# KiCad board TRS80_Model_I_Jap20_E1.kicad_pcb (continued)
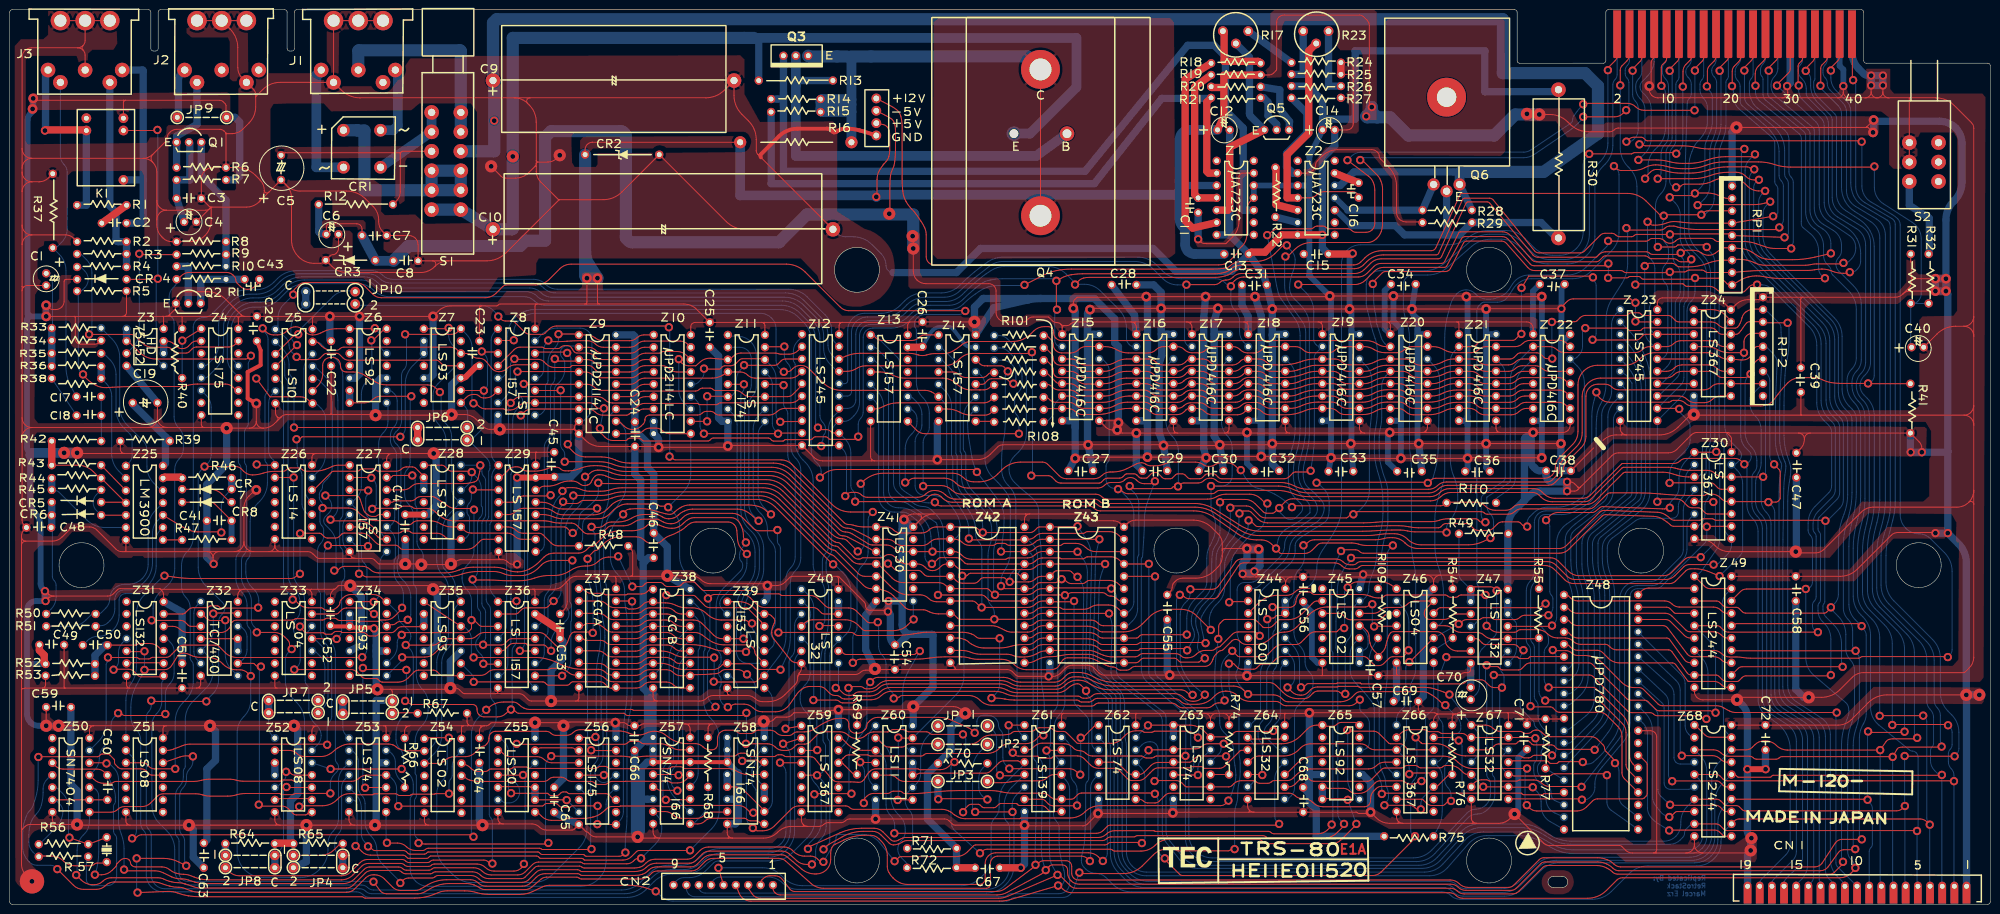
[diagram p0: board, top side]
## Routing (per net, layer and track width the routed paths; a pad name or vN(x,y) marks a point on that pad's centre or on a via; arc(x,y) is an arc through that point) (continued)
/CPU Gating/~{ZCAS}: length 57.9
  Top w0.2: Z66.6 284.94,24.2 arc(284.88,24.24) 284.81,24.25 281.85,24.25 arc(281.3,24.14) 280.83,23.83 280.31,23.31 arc(279.82,22.58) 279.65,21.72 279.65,21.32 arc(279.56,20.84) 279.28,20.43 arc(278.88,20.16) 278.39,20.06 269.88,20.06 arc(268.75,20.28) 267.79,20.92 267.72,21 arc(266.84,21.58) 265.81,21.79 265.45,21.79 arc(264.75,21.93) 264.16,22.32 arc(263.57,22.71) 262.87,22.85 238.47,22.85 arc(237.91,22.74) 237.44,22.43 236.22,21.2 arc(235.82,20.94) 235.36,20.85 233.89,20.85 arc(233.39,20.95) 232.97,21.23 arc(232.54,21.51) 232.05,21.61 Z62.8
/CPU Gating/~{ZIN}: length 89.6
  Top w0.2: v2(323.09,21.51) 323,21.6 arc(322.9,21.66) 322.78,21.69 308.7,21.69 arc(308.69,21.68) 308.67,21.67 308.63,21.63 arc(308.61,21.62) 308.57,21.61 Z67.8 ; v2(348.74,77.67) 348.78,77.7 arc(348.82,77.73) 348.87,77.74 Z30.10
  Bottom w0.2: v2(323.09,21.51) 323.67,21.51 arc(324.21,21.61) 324.67,21.92 325,22.26 arc(325.56,23.09) 325.75,24.07 325.75,24.72 arc(326.03,26.33) 326.84,27.76 327.25,28.25 arc(328.74,30.05) 330.25,31.84 331.52,33.34 arc(332.61,35.21) 332.99,37.34 332.99,63.4 arc(333.11,63.98) 333.44,64.47 arc(333.93,64.8) 334.51,64.92 338.3,64.92 arc(338.91,65.04) 339.43,65.39 348.25,74.2 arc(348.61,74.75) 348.74,75.39 v2(348.74,77.67)
/CPU Gating/~{ZOUT}: length 91.2
  Top w0.2: Z67.6 300.35,24.25 arc(300.37,24.34) 300.42,24.42 300.98,24.97 arc(301.66,25.44) 302.48,25.6 303.53,25.6 arc(303.69,25.56) 303.83,25.47 arc(303.97,25.38) 304.14,25.34 309.72,25.34 arc(309.87,25.37) 309.99,25.46 arc(310.12,25.54) 310.27,25.57 313.22,25.57 arc(314.1,25.4) 314.84,24.9 arc(315.59,24.4) 316.47,24.23 322.88,24.23 arc(322.93,24.22) 322.97,24.19 v2(323.01,24.15)
  Bottom w0.2: v2(323.01,24.15) 330.44,33.66 arc(331.49,35.58) 331.85,37.73 331.85,62.95 arc(332.05,63.94) 332.61,64.79 arc(333.46,65.35) 334.45,65.55 337.47,65.55 arc(338.5,65.76) 339.37,66.34 343.69,70.66 arc(344.42,71.75) 344.68,73.04 344.68,77.68 arc(344.87,78.68) 345.44,79.52 Z30.6
/CPU Gating/~{ZRAS}: length 48.7
  Top w0.2: v2(313.51,34.16) 313.43,34.23 arc(313.35,34.29) 313.25,34.31 300.07,34.31 arc(299.82,34.36) 299.6,34.51 299.38,34.73 arc(298.91,35.04) 298.36,35.15 294.31,35.15 arc(294.07,35.19) 293.88,35.32 arc(293.68,35.46) 293.45,35.5 291.7,35.5 arc(291.43,35.56) 291.21,35.71 arc(290.98,35.86) 290.72,35.91 287.72,35.91 arc(286.67,35.7) 285.79,35.11 Z66.2
  Bottom w0.2: v2(313.51,34.16) 313.66,34 arc(313.78,33.84) 313.81,33.64 313.81,30.06 arc(313.73,29.64) 313.5,29.29 arc(313.26,28.94) 313.18,28.53 313.18,27.58 arc(313.44,26.29) 314.17,25.19 314.45,24.91 arc(315.39,23.5) 315.72,21.84 315.72,21.6 arc(316.22,19.9) 317.56,18.75 Z48.19
/CPU Gating/~{ZRD}: length 84.8
  Top w0.2: Z67.11 308.45,29.23 arc(308.55,29.25) 308.63,29.31 308.77,29.44 arc(308.84,29.49) 308.93,29.51 315.78,29.51 arc(315.98,29.47) 316.15,29.36 316.42,29.09 arc(316.55,29) 316.69,28.97 317.84,28.97 arc(317.99,29) 318.12,29.09 318.3,29.27 arc(318.37,29.31) 318.45,29.33 323.13,29.33 arc(323.18,29.32) 323.23,29.29 v2(323.26,29.25)
  Bottom w0.2: v2(323.26,29.25) 323.47,29.05 arc(323.69,28.9) 323.96,28.85 324.33,28.85 arc(324.95,28.96) 325.48,29.29 326.2,29.93 arc(327.34,31.07) 328.34,32.33 329.51,33.97 arc(330.49,35.94) 330.83,38.12 330.83,62.75 arc(331.11,64.16) 331.91,65.36 arc(333.11,66.16) 334.52,66.44 337.43,66.44 arc(338.26,66.61) 338.96,67.08 343.3,71.42 arc(343.75,72.09) 343.91,72.89 343.91,80.95 arc(344.21,82.45) 345.06,83.71 346.02,84.68 arc(346.15,84.87) 346.2,85.11 Z30.4
/CPU Gating/~{ZWR}: length 98.3
  Top w0.2: Z67.3 303.95,31.77 arc(304.22,31.82) 304.44,31.97 305.05,32.58 arc(305.5,32.88) 306.03,32.99 309.37,32.99 arc(309.53,33.02) 309.67,33.12 309.97,33.41 arc(310.15,33.53) 310.37,33.57 311.96,33.57 arc(312.17,33.53) 312.35,33.41 312.82,32.94 arc(312.99,32.82) 313.19,32.78 316.79,32.78 arc(317.14,32.72) 317.43,32.52 317.89,32.06 arc(318.1,31.92) 318.35,31.87 325.53,31.87 arc(325.6,31.86) 325.65,31.82 v2(325.7,31.77)
  Bottom w0.2: v2(325.7,31.77) 328.42,35.3 arc(329.46,37.22) 329.82,39.38 329.82,63.63 arc(329.62,65.64) 329.06,67.58 arc(328.49,69.53) 328.29,71.54 328.29,73.24 arc(328.57,74.43) 329.36,75.36 334.1,78.89 arc(334.81,79.27) 335.61,79.39 341.6,79.39 arc(342.09,79.49) 342.52,79.78 arc(342.8,80.2) 342.9,80.69 342.9,81.84 arc(343.08,82.75) 343.6,83.52 arc(344.11,84.3) 344.3,85.21 344.3,87.19 arc(344.54,88.44) 345.25,89.49 346.2,90.44
/CPU/CLK: length 445.4
  Top w0.2: v2(13.66,6.01) 14.67,5.01 arc(15.75,4.29) 17.03,4.03 17.41,4.03 arc(18.34,4.22) 19.12,4.74 arc(19.91,5.27) 20.84,5.45 30.46,5.45 arc(31.1,5.38) 31.7,5.16 arc(32.29,4.9) 32.91,4.7 33.23,4.62 arc(33.91,4.48) 34.61,4.44 arc(35.3,4.38) 35.97,4.22 36.07,4.19 arc(36.83,3.94) 37.58,3.67 37.65,3.65 arc(38.49,3.42) 39.36,3.35 69.16,3.35 arc(69.91,3.5) 70.55,3.92 73.02,6.39 arc(73.64,6.81) 74.38,6.95 79.75,6.95 arc(80.2,6.86) 80.58,6.61 arc(80.96,6.36) 81.41,6.27 86.48,6.27 arc(86.74,6.32) 86.97,6.47 arc(87.19,6.62) 87.46,6.67 95.07,6.67 arc(95.99,6.49) 96.76,5.98 arc(97.53,5.46) 98.45,5.28 105.15,5.28 arc(105.55,5.36) 105.89,5.58 107.82,7.51 arc(108.19,7.76) 108.62,7.84 117.13,7.84 arc(117.38,7.79) 117.59,7.65 arc(117.8,7.51) 118.05,7.46 128.32,7.46 arc(128.9,7.5) 129.47,7.62 arc(130,7.84) 130.45,8.19 130.74,8.49 arc(131.14,8.82) 131.6,9.06 arc(132.09,9.21) 132.6,9.26 139.24,9.26 arc(139.99,9.41) 140.63,9.84 141.87,11.08 arc(142.64,11.6) 143.56,11.78 159.18,11.78 arc(160.07,11.6) 160.83,11.1 161.08,10.84 arc(162.13,10.14) 163.35,9.9 164.6,9.9 arc(165.37,9.75) 166.01,9.32 166.38,8.95 arc(166.62,8.79) 166.9,8.73 v2(167.21,8.73) ; v2(181.84,8.86) 181.89,8.86 arc(181.93,8.87) 181.97,8.89 182.75,9.67 arc(182.89,9.76) 183.06,9.8 194.4,9.8 arc(195.72,10.06) 196.85,10.81 198.05,12.02 arc(198.27,12.16) 198.51,12.21 225.06,12.21 arc(225.4,12.28) 225.68,12.47 arc(225.96,12.65) 226.29,12.72 232.45,12.72 arc(232.53,12.7) 232.6,12.66 v2(232.66,12.59) ; Z27.3 73.44,85.24 arc(73.52,85.22) 73.59,85.17 v2(73.66,85.11) ; 16.38,18.94 20.8,18.94 arc(21.55,19.09) 22.19,19.52 arc(22.83,19.94) 23.58,20.09 27.16,20.09 arc(28.12,20.28) 28.93,20.83 30.35,22.24 arc(30.89,22.6) 31.52,22.73 38.25,22.73 arc(38.98,22.67) 39.69,22.49 arc(40.39,22.3) 41.12,22.24 44.79,22.24 arc(45.71,22.31) 46.61,22.51 arc(47.51,22.71) 48.42,22.78 55.39,22.78 arc(55.54,22.75) 55.66,22.66 arc(55.79,22.58) 55.94,22.55 58.14,22.55 arc(58.3,22.58) 58.44,22.68 arc(58.58,22.77) 58.75,22.8 v2(65.89,22.8) 65.86,22.78 ; v2(65.38,73.81) 73.35,73.81 arc(73.45,73.79) 73.53,73.73 v2(73.61,73.65) ; 277.37,36.85 277.09,37.13 arc(276.78,37.34) 276.41,37.41 273.68,37.41 arc(273.17,37.31) 272.73,37.01 arc(272.29,36.72) 271.78,36.62 270.44,36.62 arc(270.29,36.65) 270.17,36.73 270.16,36.74 arc(270.04,36.82) 269.9,36.85 268.6,36.85 arc(267.55,36.64) 266.65,36.04 265.22,34.61 arc(263.45,33.43) 261.37,33.01 v2(249.48,33.01) 246.25,33.01 arc(245.57,32.88) 244.99,32.49 arc(244.42,32.11) 243.74,31.97 239.49,31.97 arc(239.35,31.95) 239.24,31.87 arc(239.13,31.8) 239,31.77 234.16,31.77 arc(234.11,31.76) 234.07,31.73 v2(234.03,31.69)
  Bottom w0.2: v2(73.66,85.11) 73.66,84.71 arc(73.59,84.37) 73.4,84.09 arc(73.22,83.81) 73.15,83.48 73.15,80.69 arc(73.25,80.2) 73.53,79.78 arc(73.81,79.35) 73.91,78.86 73.91,74.17 arc(73.87,73.97) 73.76,73.81 v2(73.61,73.65) ; v2(181.84,8.86) 178.81,12.63 arc(177.2,13.91) 175.19,14.37 170.43,14.37 arc(169.98,14.18) 169.8,13.74 arc(169.71,13.12) 169.47,12.55 v2(167.21,8.73) ; v2(13.66,6.01) 13.75,6.1 arc(13.82,6.2) 13.84,6.32 13.84,11.07 arc(13.92,11.94) 14.16,12.78 arc(14.55,13.56) 15.1,14.23 15.4,14.53 arc(15.86,15.12) 16.16,15.8 arc(16.33,16.54) 16.38,17.29 16.38,18.94 ; v2(249.48,33.01) 249.2,32.73 arc(248.99,32.42) 248.92,32.06 248.92,31.92 arc(248.82,31.43) 248.54,31.01 Z63.11 ; v2(65.89,22.8) 65.89,24.72 arc(66.1,25.81) 66.72,26.74 67.16,27.17 arc(67.46,27.62) 67.56,28.15 67.56,28.27 arc(67.48,28.69) 67.24,29.04 arc(67.01,29.39) 66.93,29.81 66.93,51.36 arc(66.63,52.85) 65.78,54.12 arc(64.94,55.39) 64.64,56.88 64.64,72.14 arc(64.74,72.62) 65.01,73.03 65.23,73.26 arc(65.34,73.42) 65.38,73.6 v2(65.38,73.81) ; v2(232.66,12.59) 232.98,12.91 arc(233.21,13.26) 233.3,13.68 233.3,25.98 arc(233.05,27.22) 232.34,28.28 231.57,29.05 arc(231.55,29.16) 231.65,29.23 arc(231.88,29.28) 232.08,29.41 233.92,31.25 arc(234,31.38) 234.03,31.53 v2(234.03,31.69)
/CPU/CLK_DIV6: length 34.3
  Top w0.2: v2(274.85,35.83) 274.97,35.72 arc(275.09,35.63) 275.24,35.6 280.21,35.6 arc(280.87,35.47) 281.42,35.1 283.34,33.18 arc(283.53,33.06) 283.75,33.01 285.68,33.01 arc(286.14,32.92) 286.54,32.66 287.16,32.04 arc(287.45,31.84) 287.8,31.77 Z66.14
  Bottom w0.2: Z65.8 276.16,22.82 arc(275.27,24.15) 274.95,25.73 274.95,35.66 arc(274.94,35.73) 274.9,35.78 v2(274.85,35.83)
/CPU/HI: length 36.1
  Top w0.2: Z62.4 226.43,29.23 arc(227.47,29.02) 228.36,28.43 229.64,27.15 arc(230.15,26.81) 230.74,26.69 232.03,26.69 arc(232.61,26.81) 233.11,27.14 234.51,28.53 arc(235.22,29.01) 236.06,29.18 239.05,29.18 arc(239.09,29.18) 239.11,29.2 arc(239.14,29.22) 239.17,29.23 242.39,29.23 arc(242.72,29.3) 243,29.48 243.63,30.12 arc(244.06,30.4) 244.55,30.5 249.83,30.5 arc(249.88,30.49) 249.92,30.46 v2(249.96,30.42) ; 246.76,26.69 250.57,26.69
  Bottom w0.2: 250.57,26.69 250.57,29.38 arc(250.49,29.78) 250.26,30.12 v2(249.96,30.42)
/CPU/MREQ: length 48
  Top w0.2: v2(259.66,35.66) 259.61,35.6 arc(259.56,35.57) 259.49,35.55 252.24,35.55 arc(251.89,35.48) 251.6,35.29 251.04,34.73 arc(250.72,34.51) 250.33,34.44 247.48,34.44 arc(247.4,34.42) 247.33,34.37 arc(247.26,34.33) 247.18,34.31 247.01,34.31 arc(246.78,34.36) 246.58,34.49 245.49,35.58 arc(244.08,36.52) 242.42,36.85 233.99,36.85 arc(233.96,36.84) 233.93,36.82 v2(233.91,36.8)
  Bottom w0.2: v2(259.66,35.66) 259.66,36.16 arc(259.76,36.63) 260.02,37.03 260.39,37.4 arc(260.92,38.2) 261.11,39.14 261.11,47.94 arc(261.24,48.61) 261.62,49.17 Z44.8 ; 231.39,34.31 233.87,36.79 arc(233.88,36.8) 233.89,36.8 v2(233.91,36.8)
  Bottom w1.5: 239.14,36.85 239.14,34.31
/CPU/ZCLK: length 63.6
  Top w0.2: v2(295.22,50.84) 295.23,50.86 arc(295.25,50.87) 295.27,50.87 309.79,50.87 arc(309.87,50.85) 309.94,50.81 310.11,50.64 arc(310.22,50.57) 310.35,50.54 311.88,50.54 arc(312.02,50.57) 312.15,50.65 312.35,50.86 arc(312.45,50.92) 312.57,50.95 Z48.6
  Bottom w0.2: R75.2 293.5,15.64 arc(294.16,17.35) 294.38,19.17 294.38,26.19 arc(294.15,27.36) 293.5,28.34 292.92,28.91 arc(292.88,29.12) 293.05,29.23 arc(293.46,29.31) 293.81,29.54 294,29.74 arc(294.38,30.3) 294.51,30.96 294.51,36.64 arc(294.38,37.3) 294,37.87 arc(293.63,38.43) 293.5,39.09 293.5,45.33 arc(293.56,46.11) 293.77,46.86 v2(295.22,50.84)
/CPU/~{INTAK}: length 233.7
  Top w0.2: v2(324.58,154.35) 333.24,154.35 arc(333.41,154.38) 333.55,154.48 arc(333.69,154.57) 333.86,154.6 342.12,154.6 arc(342.25,154.58) 342.36,154.5 v2(342.47,154.4) ; J4.14 345.56,174.25 arc(345.49,173.89) 345.29,173.58 344.43,172.73 arc(344.01,172.09) 343.86,171.35 343.86,168.28 arc(343.86,168.25) 343.84,168.22 v2(343.81,168.19)
  Bottom w0.2: v2(342.47,154.4) 343.14,155.07 arc(343.64,155.82) 343.81,156.7 v2(343.81,168.19) ; v2(324.58,154.35) 324.58,154.26 arc(324.57,154.18) 324.52,154.11 323.96,153.55 arc(323.5,152.86) 323.34,152.05 323.34,138.27 arc(322.98,136.44) 321.94,134.89 arc(320.4,133.86) 318.57,133.5 317.08,133.5 arc(315,133.91) 313.24,135.09 311.34,136.98 arc(309.58,138.16) 307.5,138.58 303.77,138.58 arc(301.63,138.2) 299.74,137.13 299.7,137.1 arc(297.81,136.03) 295.67,135.66 277.59,135.66 arc(276.09,135.36) 274.83,134.51 arc(273.98,133.25) 273.68,131.75 273.68,81.69 arc(273.51,79.94) 272.98,78.25 arc(272.21,76.64) 271.29,75.11 269.79,72.86 arc(269.3,72) 268.92,71.08 268.9,71.03 arc(268.68,70.11) 268.6,69.17 arc(268.52,68.23) 268.29,67.32 268.22,67.14 arc(267.7,66.16) 266.91,65.39 265.8,64.59 arc(265.13,64.06) 264.51,63.49 arc(264.06,62.82) 263.9,62.03 263.9,55.99 arc(264.2,54.5) 265.05,53.23 arc(265.89,51.97) 266.19,50.47 266.19,49.83 arc(266.4,48.75) 267.02,47.83 arc(267.63,46.92) 267.84,45.84 267.84,45.49 arc(267.56,44.08) 266.76,42.88 264.76,40.88 arc(264.22,40.07) 264.03,39.13 264.03,23.99 arc(263.85,23.08) 263.33,22.31 262.86,21.83 arc(262.61,21.67) 262.32,21.61 Z64.8
/CPU/~{INT}: length 203.3
  Top w0.2: v2(363.65,139.21) 363.43,139 arc(363.19,138.84) 362.91,138.78 347.25,138.78 arc(345.57,138.85) 343.91,139.07 342.83,139.27 arc(342.62,139.32) 342.42,139.4 arc(342.22,139.47) 342,139.49 341.14,139.49 arc(340.6,139.38) 340.15,139.08 arc(339.7,138.78) 339.17,138.68 332.92,138.68 arc(332.66,138.73) 332.43,138.88 v2(332.23,139.08)
  Bottom w0.2: J4.21 355.73,174.06 arc(355.58,173.31) 355.15,172.68 arc(354.73,172.04) 354.58,171.3 354.58,170.66 arc(354.71,170) 355.09,169.44 arc(355.47,168.87) 355.6,168.21 355.6,165.44 arc(355.61,165.12) 355.66,164.8 arc(355.77,164.51) 355.97,164.27 360.54,160.39 arc(361.71,159.23) 362.7,157.9 arc(363.37,156.43) 363.6,154.83 363.6,149.87 arc(363.71,149.29) 364.04,148.8 arc(364.37,148.31) 364.49,147.73 364.49,140.82 arc(364.38,140.27) 364.07,139.81 363.71,139.45 arc(363.67,139.38) 363.65,139.3 v2(363.65,139.21) ; v2(332.23,139.08) 332.36,138.96 arc(332.45,138.82) 332.48,138.65 332.48,131.86 arc(332.17,129.65) 331.25,127.62 329.27,124.51 arc(328.35,122.48) 328.04,120.28 328.04,106.98 arc(327.81,105.1) 327.15,103.33 326.85,102.75 arc(326.38,101.58) 326.13,100.35 arc(326.04,99.08) 326.01,97.8 326.01,85.5 arc(325.93,84.75) 325.69,84.03 325.69,84.03 arc(325.31,83.38) 324.8,82.82 arc(324.21,82.35) 323.57,81.93 321.97,80.99 arc(320.49,80.37) 318.89,80.16 317.25,80.16 arc(317.24,80.16) 317.24,80.16 arc(317.24,80.16) 317.23,80.16 315.51,80.16 arc(315.01,80.06) 314.58,79.78 arc(314.3,79.35) 314.2,78.85 314.2,68.24 arc(313.98,67.16) 313.37,66.25 arc(312.76,65.34) 312.55,64.26 312.55,54.66 arc(312.64,54.16) 312.93,53.74 arc(313.21,53.32) 313.31,52.82 313.31,42.72 arc(313.41,42.22) 313.69,41.8 arc(313.97,41.38) 314.07,40.88 314.07,38.85 arc(314.37,37.35) 315.21,36.09 315.37,35.93 arc(316.1,34.84) 316.36,33.55 316.36,32.69 arc(316.26,32.19) 315.97,31.77 arc(315.69,31.35) 315.59,30.85 315.59,27.96 Z48.16
/CPU/~{SYSRES}: length 357.9
  Top w0.2: v2(165.35,22.62) 165.42,22.69 arc(165.49,22.74) 165.57,22.75 v2(172.97,22.75) ; v2(328.42,171.57) 328.42,171.8 arc(328.46,172.01) 328.58,172.19 329.92,173.53 arc(330.22,173.98) 330.32,174.51 J4.2 ; v2(274.44,43.28) 274.05,43.28 arc(273.69,43.35) 273.38,43.55 273.36,43.57 arc(273.04,43.78) 272.66,43.86 268.84,43.86 arc(268.29,43.75) 267.83,43.44 267.17,42.78 arc(266.62,42.41) 265.97,42.28 264.82,42.28 arc(263.11,42.63) 261.65,43.6 260.24,45.01 arc(259.57,45.46) 258.79,45.61 227.38,45.61 arc(225.13,45.87) 223,46.65 222.12,47.09 arc(220.87,47.54) 219.54,47.69 218.6,47.69 arc(218.19,47.66) 217.8,47.55 arc(217.43,47.37) 217.12,47.11 216.49,46.48 arc(216.12,46.16) 215.7,45.91 arc(215.25,45.74) 214.77,45.69 207.72,45.69 arc(206.79,45.81) 205.93,46.18 arc(205.07,46.55) 204.14,46.68 178.46,46.68 arc(177.82,46.55) 177.29,46.2 v2(176.81,45.71)
  Bottom w0.2: CN2.9 136.4,4.08 arc(136.42,4.2) 136.49,4.3 137.03,4.85 arc(137.73,5.31) 138.56,5.48 139.63,5.48 arc(141.45,5.84) 142.99,6.87 144.61,8.49 arc(145.08,8.8) 145.62,8.91 156.88,8.91 arc(158.96,9.32) 160.72,10.5 163.89,13.67 arc(165.06,15.43) 165.48,17.51 165.48,22.41 arc(165.46,22.49) 165.42,22.56 v2(165.35,22.62) ; v2(172.97,22.75) 172.72,23.01 arc(172.53,23.29) 172.46,23.62 172.46,30.02 arc(172.88,32.11) 174.06,33.87 174.55,34.37 arc(175.73,36.13) 176.15,38.21 176.15,44.59 arc(176.23,45.02) 176.48,45.38 v2(176.81,45.71) ; v2(274.44,43.28) 274.44,52.97 arc(274.61,53.8) 275.08,54.5 arc(275.55,55.21) 275.71,56.04 275.71,59.56 arc(275.93,60.64) 276.54,61.55 277.19,62.2 arc(277.39,62.33) 277.62,62.38 arc(277.85,62.42) 278.05,62.56 278.57,63.07 arc(279.09,63.85) 279.27,64.76 279.27,64.85 arc(279.37,65.91) 279.65,66.94 280.26,68.59 arc(280.75,70.41) 280.92,72.28 arc(281.06,74.17) 281.49,76.01 281.56,76.22 arc(282.03,78.28) 282.19,80.38 282.19,83.03 arc(282.02,85.34) 281.53,87.6 281.08,89.1 arc(280.58,91.36) 280.41,93.66 280.41,94.86 arc(280.49,96.53) 280.73,98.19 arc(280.97,99.85) 281.05,101.52 281.05,113.69 arc(280.93,115.06) 280.57,116.38 arc(280.14,117.7) 279.78,119.03 279.05,122.06 arc(278.96,122.45) 278.86,122.83 arc(278.79,123.21) 278.76,123.6 278.76,127.5 arc(278.98,128.58) 279.59,129.5 arc(280.5,130.11) 281.58,130.32 290.71,130.32 arc(292.85,130.7) 294.72,131.79 300.14,136.35 arc(302.01,137.44) 304.15,137.81 306.86,137.81 arc(308.94,137.4) 310.71,136.22 312.73,134.2 arc(314.49,133.02) 316.58,132.61 319.41,132.61 arc(321.4,133) 323.09,134.13 arc(324.21,135.82) 324.61,137.81 324.61,148.26 arc(325.02,150.34) 326.2,152.11 326.83,152.73 arc(328.01,154.5) 328.42,156.58 v2(328.42,171.57)
/CPU/~{WAIT}: length 254.1
  Top w0.2: v2(312.52,40.74) 312.58,40.67 arc(312.65,40.62) 312.74,40.61 316.55,40.61 arc(316.89,40.54) 317.17,40.35 317.73,39.8 arc(318.06,39.57) 318.46,39.49 326.76,39.49 arc(327.5,39.34) 328.12,38.92 330.49,36.56 arc(331.1,35.64) 331.32,34.56 331.32,27.06 arc(331.45,26.39) 331.83,25.82 Z48.24 ; R41.2 381.97,107.08 arc(381.94,107.09) 381.91,107.11 v2(381.89,107.13) 376.44,107.13 arc(375.41,107.17) 374.39,107.3 374.35,107.3 arc(373.4,107.53) 372.49,107.89 arc(371.57,108.22) 370.61,108.32 368.01,108.32 arc(366.59,108.04) 365.38,107.23 arc(364.33,106.1) 363.36,104.9 362.39,103.61 arc(361.88,103.1) 361.25,102.76 arc(360.54,102.57) 359.81,102.51 345.69,102.51 arc(344.94,102.66) 344.31,103.08 arc(343.67,103.5) 342.93,103.65 341.85,103.65 arc(341.6,103.6) 341.39,103.46 arc(341.18,103.32) 340.93,103.27 328.75,103.27 arc(327.72,103.47) 326.85,104.06 326.23,104.67 arc(326.1,104.86) 326.06,105.09 v2(326.06,105.33)
  Bottom w0.2: v2(312.52,40.74) 312.52,52.27 arc(312.41,52.83) 312.09,53.31 arc(311.77,53.79) 311.66,54.35 311.66,64.51 arc(311.87,65.59) 312.48,66.5 arc(313.09,67.42) 313.31,68.5 313.31,78.53 arc(313.49,79.45) 314.01,80.22 arc(314.78,80.74) 315.69,80.92 318.67,80.92 arc(320.23,81.13) 321.69,81.74 322.45,82.19 arc(323.07,82.6) 323.64,83.06 324.14,83.5 arc(324.19,83.55) 324.24,83.6 arc(324.29,83.65) 324.33,83.71 324.71,84.32 arc(325.01,85.01) 325.12,85.77 325.12,100.27 arc(325.24,101.98) 325.59,103.66 v2(326.06,105.33) ; 370.96,178.96 370.96,169.74 arc(370.93,169.58) 370.84,169.44 arc(370.74,169.3) 370.71,169.13 370.71,168.1 arc(370.93,166.99) 371.56,166.04 375.04,162.57 arc(375.31,162.16) 375.41,161.68 375.41,146.11 arc(375.9,144.18) 377.26,142.71 380.04,140.9 arc(381.32,139.83) 382.31,138.49 arc(382.94,136.94) 383.16,135.29 383.16,108.78 arc(383.03,108.15) 382.67,107.61 382.3,107.24 arc(382.18,107.16) 382.04,107.13 v2(381.89,107.13)
/D0: length 511.7
  Top w0.2: v2(166.09,98.04) 166.29,97.83 arc(166.52,97.68) 166.78,97.63 167.82,97.63 arc(168.29,97.54) 168.68,97.28 arc(169.07,97.01) 169.54,96.92 Z12.12 ; v2(376.83,131.92) 376.73,131.82 arc(376.62,131.74) 376.49,131.72 371.26,131.72 arc(370.69,131.68) 370.13,131.58 arc(369.56,131.47) 368.99,131.44 360.78,131.44 arc(359.69,131.56) 358.65,131.91 358.33,132.05 arc(357.62,132.33) 356.87,132.52 arc(356.1,132.62) 355.33,132.66 354.25,132.66 arc(354.13,132.63) 354.04,132.57 arc(353.94,132.5) 353.82,132.48 352.3,132.48 arc(350.67,132.33) 349.1,131.9 348.8,131.79 arc(346.93,131.28) 345,131.11 343.27,131.11 arc(342.79,131.2) 342.38,131.48 arc(341.97,131.75) 341.49,131.84 336.94,131.84 arc(336.58,131.77) 336.27,131.57 v2(335.99,131.29) ; v2(363.17,168.4) 363.17,168.51 arc(363.19,168.62) 363.25,168.71 365.54,171 arc(365.8,171.38) 365.88,171.83 J4.30 ; Z24.13 352.4,114.7 arc(351.6,114.86) 350.92,115.31 arc(350.25,115.76) 349.45,115.92 343.4,115.92 arc(342.61,115.76) 341.93,115.31 arc(341.26,114.86) 340.46,114.7 Z23.17 336.98,114.7 arc(336.18,114.54) 335.51,114.09 arc(334.83,113.64) 334.03,113.48 319.4,113.48 arc(318.61,113.64) 317.93,114.09 arc(317.25,114.54) 316.46,114.7 Z22.2 ; v2(173.73,82.82) 186.75,82.82 arc(187.75,83.02) 188.59,83.59 188.82,83.81 arc(189.41,84.21) 190.12,84.35 arc(190.82,84.21) 191.42,83.81 191.7,83.52 arc(192.62,82.91) 193.7,82.7 222.29,82.7 arc(222.96,82.56) 223.52,82.19 arc(224.08,81.81) 224.74,81.68 243.58,81.68 arc(245.77,81.35) 247.77,80.4 252.61,77.12 arc(254.61,76.17) 256.8,75.84 278.75,75.84 arc(280,75.89) 281.23,76.03 281.45,76.06 arc(282.46,76.18) 283.49,76.22 284.51,76.22 arc(286.01,75.92) 287.27,75.08 arc(288.54,74.23) 290.03,73.93 299.75,73.93 arc(301.33,74.11) 302.83,74.63 v2(304.29,75.33)
  Bottom w0.2: v2(363.17,168.4) 371.12,160.97 arc(371.66,160.21) 371.85,159.29 371.85,143.96 arc(372.34,142.01) 373.68,140.51 378.09,137.53 arc(379.01,136.49) 379.35,135.15 379.35,134.83 arc(379.13,133.71) 378.5,132.77 377.93,132.21 arc(377.61,132) 377.24,131.92 v2(376.83,131.92) ; Z23.17 338.26,114.7 arc(337.97,114.76) 337.72,114.92 336.97,115.68 arc(336.24,116.76) 335.99,118.04 v2(335.99,131.29) ; v2(304.29,75.33) 304.61,75.65 arc(304.84,76) 304.93,76.41 304.93,78.66 arc(304.74,79.57) 304.23,80.35 arc(303.71,81.12) 303.53,82.03 303.53,83.67 arc(303.54,83.71) 303.56,83.74 arc(303.59,83.77) 303.63,83.8 308.25,86.8 arc(308.29,86.83) 308.32,86.86 arc(308.35,86.89) 308.35,86.93 308.35,107.75 arc(308.77,109.83) 309.95,111.59 Z22.2 ; v2(173.73,82.82) 173.73,83.97 arc(173.62,84.55) 173.29,85.05 arc(172.96,85.54) 172.84,86.12 172.84,92.8 arc(172.53,94.38) 171.64,95.71 Z12.12 ; v2(166.09,98.04) 166.09,98.06 arc(166.08,98.09) 166.07,98.11 165.85,98.33 arc(165.67,98.6) 165.61,98.91 165.61,116.13 arc(165.19,118.21) 164.01,119.98 162.37,121.62 arc(160.61,122.79) 158.53,123.21 109.97,123.21 arc(108.81,123.44) 107.82,124.1 arc(106.84,124.76) 105.67,124.99 77.96,124.99 arc(76.21,125.33) 74.74,126.32 arc(73.26,127.31) 71.52,127.65 60.8,127.65 arc(58.72,127.24) 56.95,126.06 55.31,124.42 arc(53.55,123.24) 51.47,122.83 50.23,122.83 arc(48.41,122.46) 46.86,121.43 arc(45.83,119.88) 45.46,118.06 45.46,113.49 arc(45.66,112.5) 46.23,111.65 46.94,110.93 arc(46.98,110.89) 46.99,110.83 46.99,110.76
/D1: length 513.4
  Top w0.2: v2(310.64,117.32) 310.58,117.32 arc(310.52,117.3) 310.47,117.27 309.38,116.19 arc(309.17,116.04) 308.92,116 302.73,116 arc(302.32,115.91) 301.97,115.68 301.32,115.03 arc(300.95,114.79) 300.52,114.7 Z21.2 ; v2(171.7,83.97) 172.08,84.35 arc(172.51,84.63) 173,84.73 173.78,84.73 arc(174.44,84.6) 175,84.22 arc(175.57,83.84) 176.23,83.71 186.59,83.71 arc(187.5,83.89) 188.28,84.41 arc(189.05,84.93) 189.96,85.11 190.18,85.11 arc(191.3,84.89) 192.24,84.26 192.28,84.22 arc(193.26,83.56) 194.42,83.33 222.89,83.33 arc(223.47,83.22) 223.96,82.89 arc(224.45,82.56) 225.04,82.44 243.45,82.44 arc(245.65,82.13) 247.68,81.21 252.82,77.96 arc(254.85,77.04) 257.06,76.73 277.99,76.73 arc(279.5,76.76) 281,76.85 arc(282.5,76.95) 284.01,76.98 285.73,76.98 arc(286.49,76.93) 287.25,76.79 arc(288.01,76.65) 288.77,76.6 295.06,76.6 arc(295.14,76.58) 295.21,76.54 v2(295.27,76.47) ; v2(166.75,94.25) 166.81,94.32 arc(166.88,94.36) 166.97,94.38 Z12.11 ; J4.22 355.73,174.34 arc(355.61,173.78) 355.29,173.3 354.42,172.42 arc(354.09,171.93) 353.97,171.35 353.97,168.38 arc(353.97,168.35) 353.95,168.32 v2(353.92,168.29) ; v2(336.57,140.38) 336.92,140.04 arc(337.3,139.78) 337.74,139.69 338.24,139.69 arc(339.2,139.77) 340.14,140.01 340.83,140.25 arc(341.38,140.38) 341.95,140.43 arc(342.52,140.41) 343.08,140.36 343.85,140.27 arc(345.19,140.14) 346.53,140.1 RP1.4 v2(362.38,141.52) ; Z24.3 Z23.18 336.29,117.24 arc(335.87,117.16) 335.52,116.92 334.94,116.34 arc(334.64,116.14) 334.29,116.07 325.36,116.07 arc(325.32,116.08) 325.3,116.1 v2(325.27,116.12) ; v2(310.67,126.79) 312.13,129.16 arc(312.14,129.18) 312.15,129.19 arc(312.17,129.2) 312.18,129.2 324.91,129.2 arc(325.08,129.17) 325.22,129.08 v2(325.35,128.95)
  Bottom w0.2: v2(310.67,126.79) 310.65,126.78 arc(310.64,126.76) 310.64,126.75 v2(310.64,117.32) ; v2(166.75,94.25) 166.75,94.75 arc(166.8,94.99) 166.94,95.21 arc(167.08,95.42) 167.13,95.67 167.13,96.05 arc(167.2,96.38) 167.38,96.67 arc(167.57,96.95) 167.64,97.28 167.64,97.76 arc(167.49,98.51) 167.07,99.14 arc(166.64,99.78) 166.5,100.52 166.5,116.38 arc(166.08,118.47) 164.9,120.23 162.63,122.5 arc(160.86,123.68) 158.78,124.1 110.69,124.1 arc(109.45,124.35) 108.39,125.05 arc(107.34,125.76) 106.09,126 78.03,126 arc(76.45,126.32) 75.12,127.21 arc(73.78,128.1) 72.21,128.42 60.54,128.42 arc(58.46,128) 56.7,126.82 55.31,125.44 arc(53.55,124.26) 51.47,123.84 50.38,123.84 arc(48.3,123.43) 46.54,122.25 46.3,122.01 arc(45.12,120.24) 44.7,118.16 44.7,112.38 arc(45,110.89) 45.84,109.62 46.9,108.57 arc(46.96,108.47) 46.99,108.35 Z4.12 ; v2(325.27,116.12) 325.64,116.49 arc(325.91,116.9) 326.01,117.38 326.01,127.31 arc(325.92,127.75) 325.68,128.11 325.53,128.26 arc(325.39,128.46) 325.35,128.7 v2(325.35,128.95) ; v2(295.27,76.47) 295.27,77.5 arc(295.36,77.96) 295.62,78.35 arc(295.94,78.72) 296.21,79.13 296.77,80.12 arc(297.36,81.61) 297.56,83.19 297.56,84.19 arc(297.37,86.09) 296.8,87.9 arc(296.23,89.72) 296.04,91.62 296.04,111.66 arc(296.27,112.83) 296.92,113.81 Z21.2 ; v2(362.38,141.52) 362.62,141.52 arc(362.84,141.57) 363.03,141.69 363.1,141.76 arc(363.28,142.03) 363.35,142.35 363.35,147.14 arc(363.26,147.56) 363.03,147.91 arc(362.79,148.26) 362.71,148.68 362.71,156.43 arc(362.55,157.17) 362.09,157.78 355.49,163.5 arc(354.54,164.76) 354.2,166.31 354.2,167.82 arc(354.16,168) 354.06,168.15 v2(353.92,168.29) ; v2(171.7,83.97) 171.83,84.09 arc(171.92,84.23) 171.96,84.4 171.96,91.78 arc(171.76,92.77) 171.19,93.62 Z12.11 ; Z23.18 338.33,117.24 arc(338.09,117.29) 337.89,117.42 337.5,117.81 arc(337.08,118.44) 336.93,119.19 336.93,122.4 arc(337.08,123.15) 337.5,123.78 arc(337.92,124.41) 338.07,125.16 338.07,130.79 arc(337.88,131.76) 337.32,132.59 arc(336.77,133.42) 336.57,134.4 v2(336.57,140.38)